# KiCad board homebrew_486.kicad_pcb (continued)
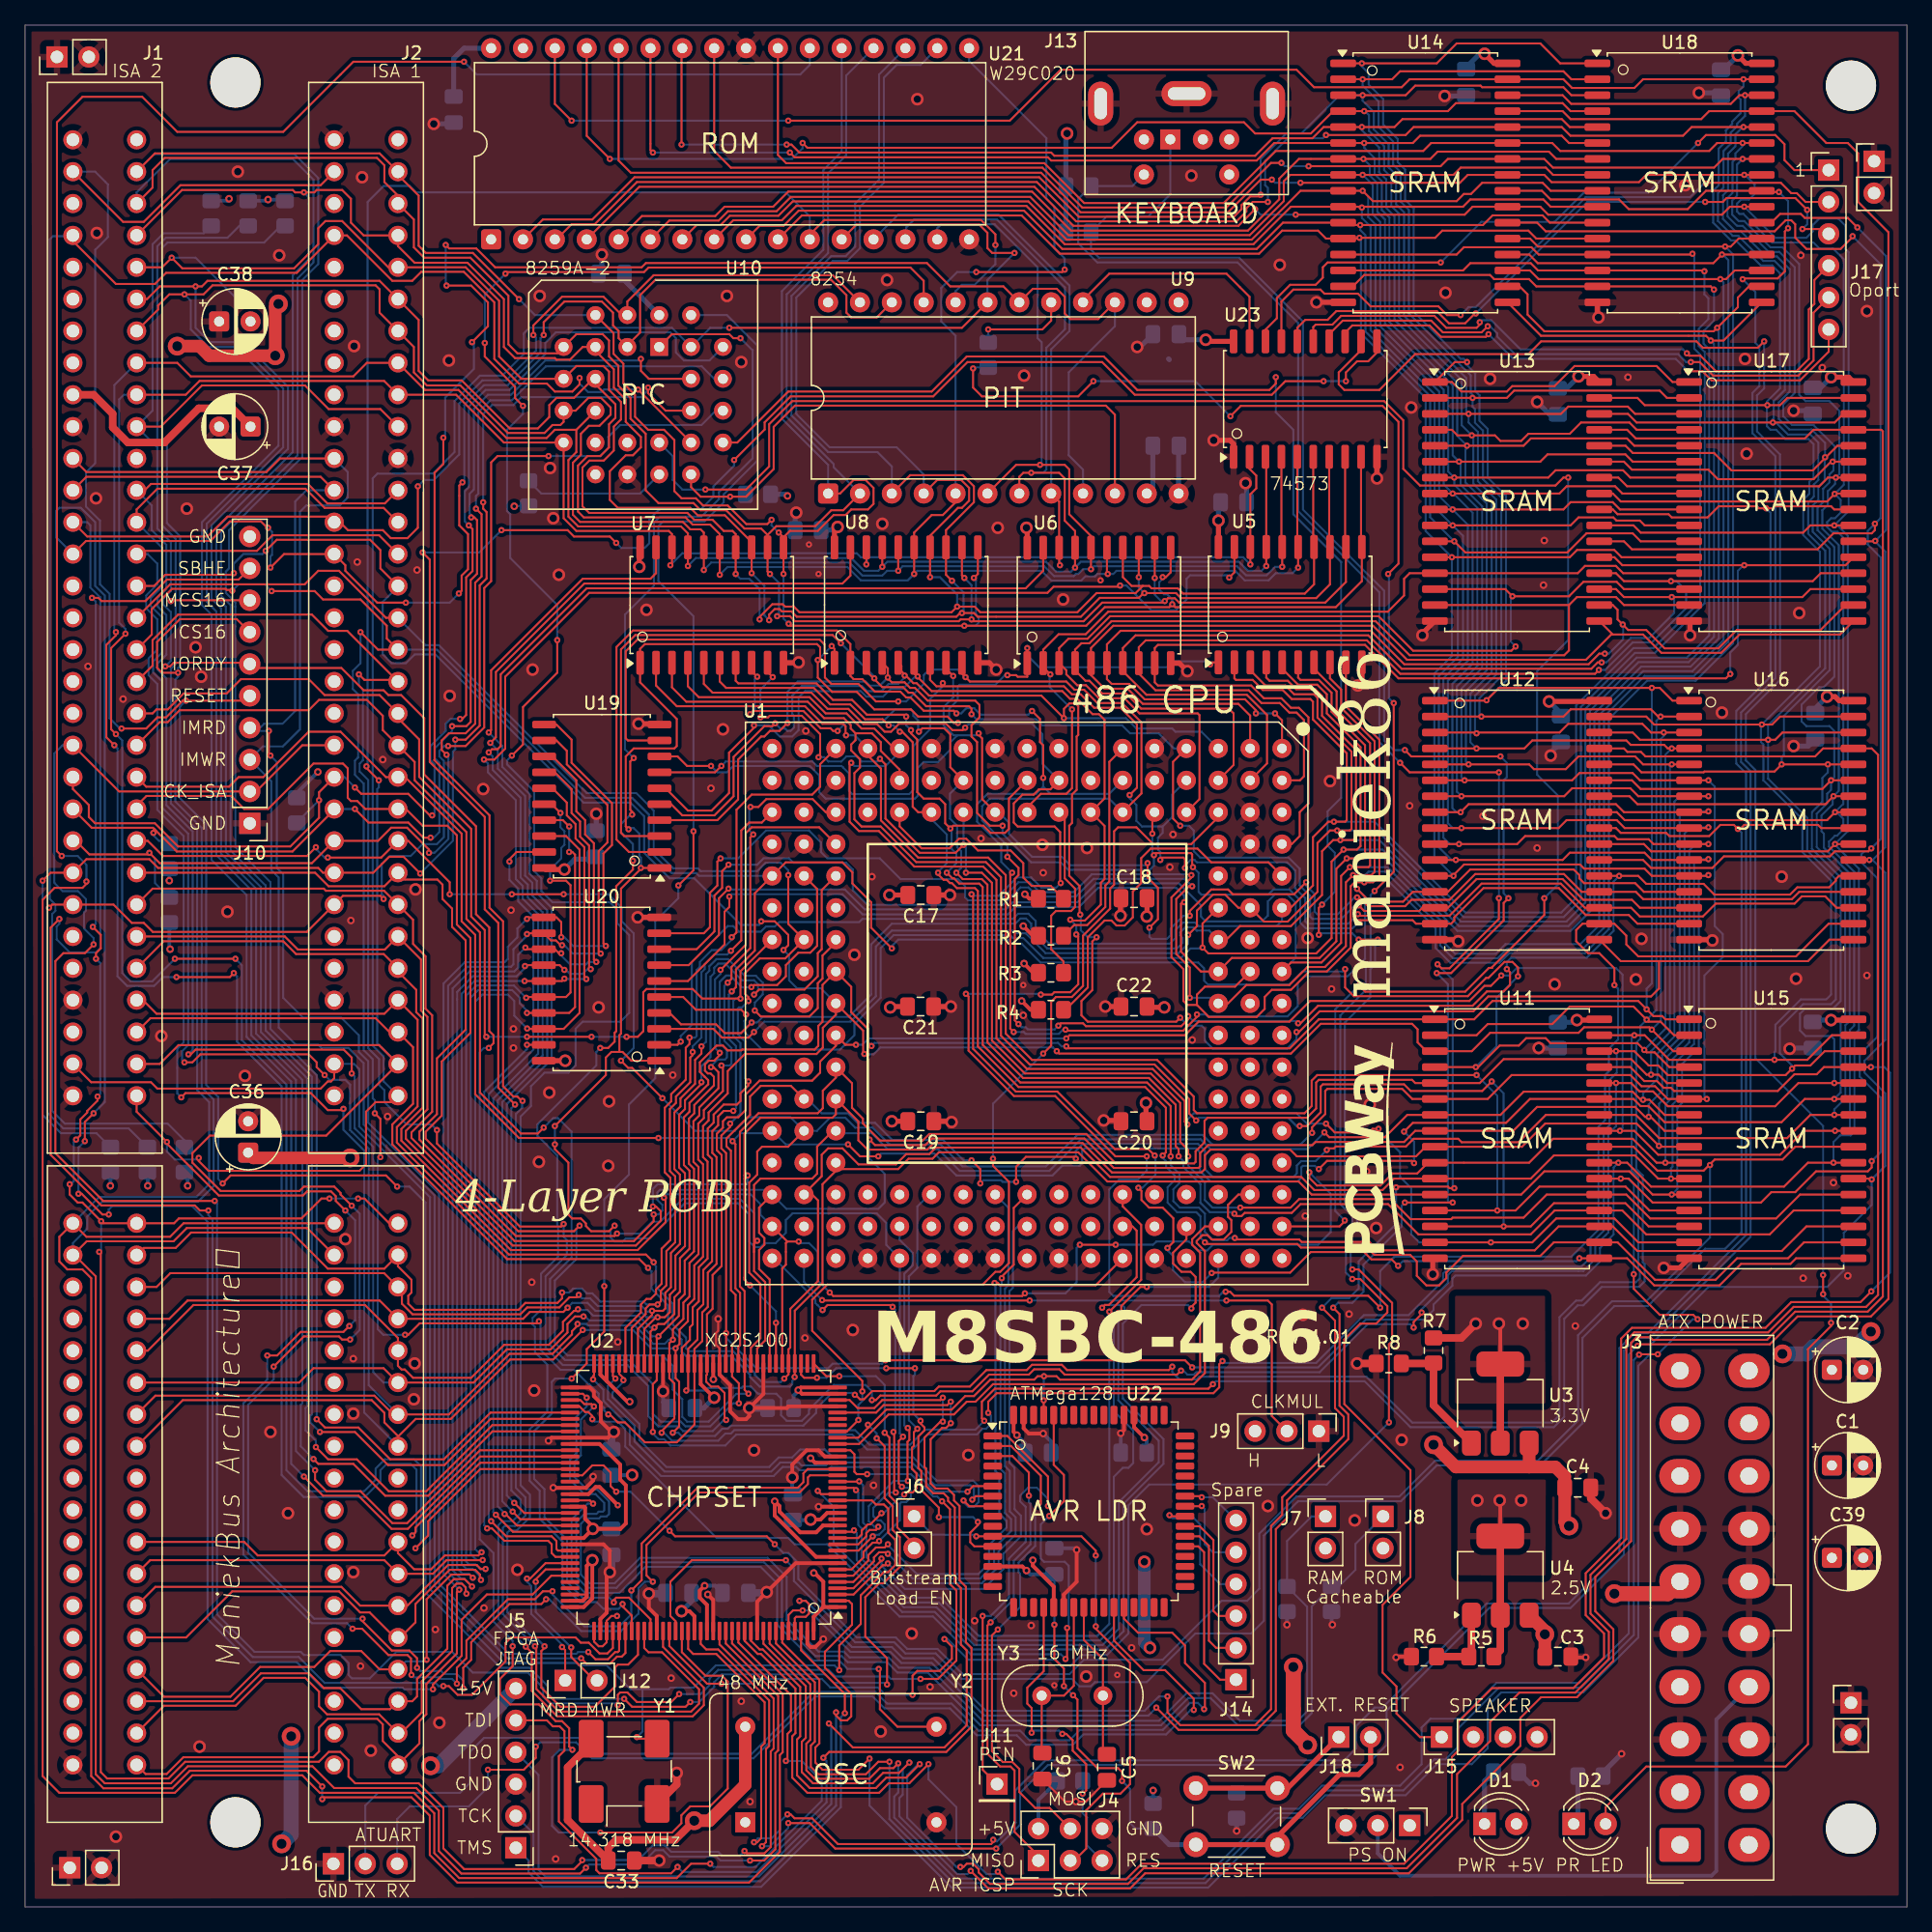
[diagram p0: board, top side]
## Routing (per net, layer and track width the routed paths; a pad name or vN(x,y) marks a point on that pad's centre or on a via; arc(x,y) is an arc through that point) (continued)
/CLK_PIT: length 223.3
  Top w0.16: 39.62,64.21 39.24,64.59 38.93,64.59 38.1,65.42 38.1,78.56 37.02,79.64 37.02,87.01 32.62,91.41 32.64,91.43 32.64,114.31 33.34,115.01 v3(33.34,117.11) ; v3(35.62,124.73) 36.89,126 36.89,127.9 35.56,129.24 v3(33.59,129.24) ; v3(33.53,132.47) 33.8,132.2 35.96,132.2 37.47,130.7 49.15,130.7 49.49,131.03 71.88,131.03 73.74,129.17 77.98,129.17 U9.18 80.33,128.98 82.24,128.98 82.87,128.35 82.87,127.01 83.31,126.57 85.53,126.57 U9.15 ; U2.117 49.35,20.64 49.7,20.29 50.77,20.29 53.72,17.35 53.72,16.21 53.09,15.57 42.55,15.57 40.75,17.37 40.75,20.67 v3(40.64,20.78) 40.58,20.84
  Bottom w0.16: v3(35.62,124.73) 35.77,124.58 35.77,122.59 33.49,120.31 33.49,117.36 33.34,117.21 v3(33.34,117.11) ; v3(40.64,20.78) 38.08,23.34 38.08,30.22 38.23,30.37 39.05,30.37 39.88,31.19 39.88,32.65 39.12,33.41 39.12,63.2 39.62,63.7 39.62,64.21 ; v3(33.59,129.24) 33.53,129.3 v3(33.53,132.47) ; U9.9 84.33,114.57 83.19,115.71 83.19,122.31 86.87,126 U9.15
  vias: v3(39.65,64.25)
/CPU/CLKMUL: length 50.6
  Top w0.16: J9.2 99.38,39.13 99.38,48.02 99.06,48.34 v3(95.76,48.34) ; v3(80.07,48.34) 63.56,48.34 v3(63.53,48.37)
  Bottom w0.16: v3(95.76,48.34) v3(80.07,48.34) ; U1.R17 62.09,49.81 v3(63.53,48.37) 63.56,48.34
/CPU/CPU_CLK: length 80.3
  Top w0.16: v3(81.15,68.02) 81.79,68.66 81.79,72.15 82.17,72.53 83.44,72.53 84.33,73.42 84.33,77.42 86.49,79.58 86.49,81.17 86.8,81.48 86.8,85.74 87.12,86.06 88.58,86.06 89.92,84.72 92.96,84.72 95.11,86.87 U1.C3 ; v3(77.15,59.64) 77.15,59.07 78.42,57.8 78.42,51.32 77.72,50.62 77.34,50.62 76.33,49.61 63.95,49.61 62.74,48.4 62.74,45.92 66.74,41.92 v3(66.74,41.1) ; v3(66.42,38.81) 65.51,37.9 U2.29
  Bottom w0.16: v3(66.42,38.81) 66.42,40.02 66.74,40.34 v3(66.74,41.1) ; v3(81.15,68.02) 77.15,64.02 v3(77.15,59.64) 77.15,59.58
/CPU/NMI: length 50.1
  Top w0.16: U2.27 66.48,36.9 68.83,39.26 74.04,39.26 75.06,40.27 75.76,40.27 77.15,41.67 93.15,41.67 94.04,42.56 94.04,52.27 93.39,52.93 93.39,53.08 93.85,53.54 94.25,53.54 94.59,53.2 95.54,53.2 96.15,53.81 96.15,54.74 95.88,55 95.88,55.96 96.71,56.78 U1.B15
/CPU/~{ADS}: length 35.8
  Top w0.16: v3(63.56,47.57) 63.97,47.98 69,47.98 v3(69.15,47.83) ; v3(69.22,37.86) 69.28,37.8 69.28,33.16 v3(69.41,33.03) ; U2.10 66.42,28.4 67.56,29.54 v3(67.56,29.54)
  Bottom w0.16: v3(69.22,37.86) 69.36,38.01 69.36,47.62 v3(69.15,47.83) ; v3(69.41,33.03) 68.84,33.03 67.61,31.8 67.61,31.15 67.94,30.81 68.2,30.81 68.52,30.49 68.52,30.11 68.07,29.67 67.69,29.67 v3(67.56,29.54) 67.5,29.48 ; v3(63.56,47.57) 62.99,48.15 62.99,48.4 59.69,51.7 U1.S17
/CPU/~{BE0}: length 46.2
  Top w0.16: v3(68.77,27.38) 68.71,27.38 68.56,27.23 68.37,27.23 66.04,24.9 U2.3
  Bottom w0.16: U1.K15 78.37,55.74 78.37,49.54 78.1,49.28 78.1,35.13 78.49,34.75 78.49,31.53 78.95,31.06 78.95,29.69 77.6,28.33 77.6,27.13 76.26,25.79 70.36,25.79 v3(68.77,27.38)
/CPU/~{BE1}: length 45.5
  Top w0.16: U2.4 66.03,25.4 68.26,27.64 v3(68.26,27.76)
  Bottom w0.16: U1.J16 79.12,54.24 78.74,53.86 78.74,49.35 78.47,49.08 78.47,35.4 78.87,35 78.87,31.7 79.38,31.19 79.38,29.54 77.98,28.14 77.98,26.94 76.39,25.35 70.12,25.35 68.26,27.21 v3(68.26,27.76)
/CPU/~{BE2}: length 46.3
  Top w0.16: U1.J15 78.8,55.72 78.8,51.19 77.85,50.24 v3(77.85,50.11) ; v3(68.77,28.14) 68.71,28.14 68.58,28.27 68.07,28.27 67.66,27.86 67.66,27.54 66.02,25.9 U2.5
  Bottom w0.16: v3(77.85,50.11) 77.85,49.61 77.74,49.5 77.74,34.92 78.1,34.56 78.1,31.4 78.59,30.92 78.59,29.96 77.24,28.61 77.24,27.28 76.14,26.18 70.74,26.18 v3(68.77,28.14)
/CPU/~{BE3}: length 49.2
  Top w0.16: v3(68.77,28.91) 68.52,28.65 67.82,28.65 67.21,28.05 67.21,27.61 66.01,26.4 U2.6 ; v3(77.28,49.73) 77.53,49.73 77.72,49.54 85.33,49.54 U1.F17
  Bottom w0.16: v3(77.28,49.73) 77.34,49.67 77.34,34.75 77.66,34.43 77.66,31.34 78.23,30.77 78.23,30.24 76.83,28.84 76.83,27.38 75.99,26.54 71.08,26.54 68.77,28.84 v3(68.77,28.91)
/CPU/~{BS8}: length 75.3
  Top w0.16: v3(63.18,33.16) 63.44,32.9 U2.19 ; v3(92.96,47.7) 92.96,47.83 93.3,48.17 93.3,50.22 92.9,50.62 92.17,50.62 91.5,51.29 91.5,52.15 92.57,53.21 U1.D16
  Bottom w0.16: v3(92.96,47.7) 92.69,47.98 88.98,47.98 87.5,46.5 87.5,40.53 90.74,37.29 90.74,35.32 87.57,32.14 87.57,21.98 86.11,20.52 75.5,20.52 72.52,23.51 69.91,23.51 64.45,28.97 64.45,31.89 v3(63.18,33.16)
/CPU/~{BS16}: length 68
  Top w0.16: U2.20 66.05,33.4 v3(66.23,33.22) ; v3(87.15,47.35) 87.38,47.57 87.38,47.89 88.9,49.42 v3(89.41,49.42)
  Bottom w0.16: v3(66.23,33.22) 66.42,33.03 66.42,30.43 66.67,30.18 66.67,27.76 70.17,24.27 72.83,24.27 75.86,21.24 85.68,21.24 86.78,22.34 86.78,34.28 87.5,35 87.95,35 88.33,35.38 88.33,37.99 86.78,39.53 86.78,46.98 v3(87.15,47.35) ; U1.C17 95.11,50.16 94.36,49.42 v3(89.41,49.42)
/CPU/~{D/C}: length 33.1
  Top w0.16: v3(70.07,32.87) 70.23,33.03 70.74,33.03 71.06,33.35 71.06,34.56 70.7,34.92 70.7,36.61 70.84,36.76 70.84,37.84 v3(71.12,38.11) ; U2.12 66.4,29.4 66.7,29.69 66.7,30.01 67.18,30.49 67.37,30.49 v3(68.26,31.38)
  Bottom w0.16: v3(68.26,31.38) 68.45,31.38 69.72,32.65 69.85,32.65 v3(70.07,32.87) 69.94,32.87 ; v3(71.12,38.11) 70.44,38.79 70.44,50.26 71.12,50.94 71.12,55.83 72.07,56.78 U1.M15
/CPU/~{KEN}: length 66.3
  Top w0.16: U1.F15 87.49,55.84 88.96,54.37 88.96,49.99 v3(86.42,47.45) ; v3(66.48,33.92) 66.46,33.9 U2.21
  Bottom w0.16: v3(86.42,47.45) 86.42,22.56 85.47,21.6 76.01,21.6 72.96,24.65 70.29,24.65 67.06,27.89 67.06,30.37 66.8,30.62 66.8,33.6 v3(66.48,33.92)
/CPU/~{M/IO}: length 31.4
  Top w0.16: U2.11 66.41,28.9 67.06,29.54 67.06,29.79 67.31,30.05 67.82,30.05 68.01,30.24 v3(68.01,30.3) ; v3(70.36,38.18) 70.48,38.05 70.48,37.22 70.34,37.08 70.34,33.98 v3(70.36,33.96)
  Bottom w0.16: v3(70.36,38.18) 70.27,38.18 70.08,38.37 70.08,50.47 70.75,51.14 70.75,52.14 69.71,53.18 U1.N16 ; v3(68.01,30.3) 67.69,30.3 67.25,30.75 67.25,31.95 69.25,33.96 v3(70.36,33.96)
/CPU/~{RDY}: length 67.2
  Top w0.16: U2.13 65.96,29.9 v3(66.07,30.02) ; U1.F16 88.27,54.24 88.6,53.9 88.6,50.2 86.39,47.99 86.07,47.99 v3(85.85,47.77)
  Bottom w0.16: v3(66.07,30.02) 66.29,29.79 66.29,27.63 70.04,23.89 72.64,23.89 75.65,20.88 85.89,20.88 87.19,22.17 87.19,32.27 90.36,35.45 90.36,37.16 87.14,40.38 87.14,46.66 87.63,47.15 87.63,47.78 87.44,47.98 86.06,47.98 v3(85.85,47.77)
/CPU_RESET: length 286.8
  Top w0.16: v3(67.88,37.35) 68.52,36.72 68.52,32.59 69.16,31.94 69.16,30.04 69.72,29.48 69.72,27.11 68.41,25.79 68.07,25.79 66.97,24.69 66.97,21.56 68.71,19.83 v3(68.71,17.73) ; v3(47.75,16.59) 48.39,15.95 52.64,15.95 v3(53.02,16.33) ; 67.21,38.21 66.41,37.4 U2.28 ; 67.21,38.21 67.18,38.24 v3(67.18,38.43) ; 67.21,38.21 68.64,39.64 73.85,39.64 74.93,40.72 75.63,40.72 76.94,42.03 80.43,42.03 80.71,42.3 v3(81.22,42.3) 82.21,42.3 82.49,42.03 93.01,42.03 93.66,42.69 93.66,52.15 93.03,52.78 93.03,53.23 94.04,54.24 U1.C16 ; v3(7.68,93.93) 9.65,93.93 10.54,94.82 11.24,94.82 12.57,96.15 v3(12.83,96.15) 17.53,96.15 J10.5 ; U22.61 v3(81.19,40.38) ; J2.2 23.56,137.24 12.38,137.24 9.46,134.32 7.81,134.32 J1.2 ; v3(29.65,57.42) 28.77,58.31 16.38,58.31 v3(15.75,57.67)
  Bottom w0.16: v3(53.02,16.33) 53.72,16.33 54.93,17.54 54.93,17.92 55.54,18.53 63.78,18.53 64.45,17.86 68.58,17.86 v3(68.71,17.73) ; v3(15.75,57.67) 15.39,58.03 15.39,64.57 14.44,65.52 14.44,86.29 12.34,88.38 12.34,95.67 v3(12.83,96.15) ; v3(81.19,40.38) 81.19,42.28 v3(81.22,42.3) ; v3(29.65,57.42) 30.65,57.42 31.92,56.15 31.92,25.05 37.91,19.06 40.2,19.06 41.66,17.6 41.66,16.97 42.04,16.59 v3(47.75,16.59) ; J1.2 5.59,138.32 6.6,137.3 6.6,133.11 5.59,132.09 5.59,115.08 4.85,114.34 4.85,111.62 5.97,110.5 5.97,105.43 6.73,104.66 6.73,94.76 7.56,93.93 v3(7.68,93.93) ; v3(67.88,37.35) 67.88,37.73 v3(67.18,38.43)
/D0: length 128.3
  Top w0.16: U1.P1 67.17,91.79 68.22,90.73 68.22,86.6 71.18,83.64 76.77,83.64 78.17,82.25 78.17,69.61 80.26,67.51 90.23,67.51 93.15,64.59 93.15,63.52 93.41,63.26 101.98,63.26 102.55,63.84 102.55,65.86 103,66.31 v3(115.7,66.31) ; v3(65.44,93.39) 65.4,93.43 65.4,94.11 65.2,94.31 63.56,94.31 62.17,95.71 51.94,95.71 50.29,97.36 U7.2 ; U15.13 129.48,55.51 127.57,57.42 120.71,57.42 118.81,55.51 v3(117.35,55.51) U11.13
  Bottom w0.16: v3(117.35,55.51) 117.35,64.66 v3(115.7,66.31) ; v3(65.44,93.39) 66.12,93.39 U1.P1
/D1: length 137.8
  Top w0.16: U11.14 v3(117.86,54.24) 120.01,54.24 121.87,56.09 127.56,56.09 129.41,54.24 U15.14 ; U1.N2 69.71,90.65 68.21,92.15 68.21,92.84 67.5,93.55 66.19,93.55 ; v3(93.34,62.69) 92.79,63.24 92.79,64.39 90.03,67.15 80.07,67.15 77.79,69.44 77.79,82.08 76.58,83.28 71.03,83.28 68.2,86.12 66.67,86.12 66.1,86.69 66.1,90.37 66.55,90.82 66.55,91.49 65.85,92.19 65.85,92.66 66.19,93 66.19,93.55 ; v3(116.9,65.8) 116.14,65.04 110.45,65.04 109.92,65.57 103.44,65.57 103.27,65.4 103.27,63.34 102.17,62.24 v3(101.6,62.24) ; U7.3 51.56,97.21 52.7,96.07 62.38,96.07 63.69,94.76 65.26,94.76 65.81,94.21 65.81,93.93 66.19,93.55
  Bottom w0.16: v3(116.9,65.8) 117.86,64.85 v3(117.86,54.24) ; v3(101.6,62.24) 101.35,62.24 100.69,62.9 93.56,62.9 v3(93.34,62.69)
/D2: length 130.1
  Top w0.16: v3(92.65,62.37) 92.43,62.58 92.43,64.24 89.88,66.79 79.86,66.79 77.43,69.23 77.43,81.86 76.37,82.92 70.88,82.92 68.05,85.76 66.46,85.76 65.72,86.5 65.72,91.07 v3(65.85,91.2) ; U15.15 128.59,52.97 126.68,54.88 122.05,54.88 120.14,52.97 v3(116.84,52.97) U11.15 ; v3(107.89,62.02) 107.41,62.02 107.12,61.74 104.39,61.74 v3(103.7,62.43) ; U1.N1 69.28,92.34 67.69,93.93 66.67,93.93 65.47,95.14 63.82,95.14 62.53,96.43 53.7,96.43 52.83,97.3 U7.4
  Bottom w0.16: v3(107.89,62.02) 107.89,61.86 109.6,60.15 109.6,58.18 110.49,57.29 110.49,53.61 111.12,52.97 v3(116.84,52.97) ; v3(65.85,91.2) 66.11,90.94 68.58,90.94 69.71,92.07 U1.N1 ; v3(92.65,62.37) 92.65,62.75 93.16,63.26 101.34,63.26 102.17,62.43 v3(103.7,62.43)
/D3: length 158.6
  Top w0.16: v3(123.89,51.7) U11.17 127.7,51.7 129.86,49.54 135.06,49.54 136.78,51.26 140.72,51.26 141.16,51.7 U15.17 ; v3(74.93,93.99) 74.74,93.8 73.92,93.8 73.41,94.31 69.66,94.31 69.02,93.68 68.52,93.68 67.9,94.29 66.82,94.29 65.62,95.5 63.97,95.5 62.68,96.79 54.8,96.79 54.1,97.49 U7.5 ; v3(91.06,52.53) 91.53,53 91.53,54.89 90.68,55.74 89.6,55.74 88.99,56.35 88.99,57.08 v3(88.74,57.32) 88.71,57.35 ; v3(82.55,81.61) 82.51,81.65 82.51,85.67 82.06,86.12 79.12,86.12 78.8,86.44 78.8,87.96 79.5,88.66 80.39,88.66 80.81,89.08 81.72,89.08 82.41,89.77 U1.H2 ; v3(90.04,59.89) 89.53,60.4 86.87,60.4 82.28,64.99 78.97,64.99 75.56,68.4 75.56,80.59 v3(75.44,80.72) ; v3(94.58,50.53) 94.61,50.56 100.84,50.56 102.48,52.2 106.73,52.2 107.31,51.62 108.92,51.62 v3(109.44,51.1) 109.47,51.07
  Bottom w0.16: 89.98,59.96 v3(90.04,59.89) 90.11,59.83 90.11,58.37 89.06,57.32 v3(88.74,57.32) ; v3(94.58,50.53) 93.85,49.8 92.46,49.8 91.5,50.75 91.5,51.89 91.06,52.34 v3(91.06,52.53) 91.06,52.59 ; U1.H2 81.09,91.12 81.09,93.49 80.26,94.31 75.25,94.31 v3(74.93,93.99) ; v3(82.55,81.61) 82.19,81.25 81.01,81.25 80.2,82.06 79.06,82.06 77.6,80.59 75.56,80.59 v3(75.44,80.72) ; v3(123.89,51.7) 123.66,51.47 109.81,51.47 v3(109.44,51.1)
/D4: length 136.4
  Top w0.16: v3(68.83,94.18) 68.35,94.67 66.95,94.67 65.77,95.86 64.18,95.86 62.86,97.17 55.88,97.17 55.37,97.68 U7.6 ; v3(72.77,82.44) 72.77,82.31 73.22,81.86 73.47,81.86 73.72,81.61 73.87,81.61 74.28,81.21 75.71,81.21 75.95,80.98 75.95,68.59 79.18,65.35 89.28,65.35 90.93,63.7 90.93,60.15 v3(90.68,59.89) ; v3(94.04,52.97) 94.18,52.84 101.41,52.84 101.69,52.56 106.97,52.56 107.55,51.98 110.41,51.98 110.93,51.45 110.93,50.31 111.7,49.54 112.71,49.54 113.28,50.11 113.28,50.56 114.62,51.89 120.78,51.89 121.86,52.97 U11.18 126.94,52.97 129.92,49.99 134.75,49.99 136.46,51.7 140.53,51.7 141.8,52.97 U15.18 ; v3(69.72,93.68) 69.91,93.68 70.75,92.84 70.75,87.7 71.18,87.26 U1.M3
  Bottom w0.16: v3(94.04,52.97) 93.68,53.33 93.68,55.05 93.35,55.38 91.83,55.38 91.07,56.14 91.07,57.37 91.63,57.93 91.63,58.3 90.95,58.98 90.95,59.43 90.68,59.7 v3(90.68,59.89) ; U1.M3 72.25,86.71 73.47,85.48 73.47,83.2 72.77,82.5 v3(72.77,82.44) ; 69.53,93.87 v3(69.72,93.68) 69.22,94.18 v3(68.83,94.18)
/D5: length 141.2
  Top w0.16: U7.7 56.64,97.74 56.85,97.53 63.08,97.53 64.39,96.22 65.92,96.22 67.1,95.03 70.08,95.03 v3(70.23,94.88) ; U1.J2 78.42,88.36 78.42,85.93 78.1,85.61 76.96,85.61 76.39,86.18 73.98,86.18 v3(73.76,85.96) 73.34,86.37 73.34,87.9 72.9,88.34 71.63,88.34 71.11,88.86 71.11,93.05 70.61,93.55 v3(70.61,93.8) ; U15.19 141.99,54.24 140.03,52.28 128.52,52.28 126.56,54.24 U11.19 122.24,54.24 120.33,52.34 107.82,52.34 107.16,53 101.76,53 101.56,53.2 96.55,53.2 v3(96.42,53.32) 96.39,53.35 ; v3(73.47,82.44) 73.91,81.99 74.04,81.99 74.46,81.57 76.05,81.57 76.33,81.29 76.33,68.72 79.33,65.71 89.43,65.71 91.31,63.83 v3(91.31,59.83)
  Bottom w0.16: v3(73.47,82.44) 74.23,83.2 74.23,83.96 73.85,84.34 73.85,85.87 73.79,85.93 ; v3(70.61,93.8) 70.23,94.18 v3(70.23,94.88) ; v3(96.42,53.32) 96,53.32 95.82,53.14 94.7,53.14 94.04,53.8 94.04,55.26 93.56,55.74 92.04,55.74 91.53,56.25 91.53,57.21 92.01,57.7 92.01,58.43 91.31,59.13 v3(91.31,59.83)
/D6: length 133.5
  Top w0.16: U15.20 140.97,55.51 139.06,53.61 129.22,53.61 127.32,55.51 U11.20 121.92,55.51 120.01,53.61 111.06,53.61 108.65,56.02 101.66,56.02 100.97,55.32 97.22,55.32 96.96,55.07 96.58,55.07 v3(96.39,55.26) ; v3(58.36,98.06) 57.91,98.5 U7.8 ; v3(74.23,82.44) 74.74,81.93 76.26,81.93 76.71,81.48 76.71,68.91 79.54,66.07 89.58,66.07 91.71,63.94 91.71,60.64 91.95,60.4 v3(91.95,59.83) ; v3(71.25,93.68) 71.52,93.95 73.26,93.95 73.75,93.46 73.75,90.84 U1.L2 ; v3(64.77,93.74) 64.41,93.74 64.2,93.95 63.41,93.95 62.04,95.33 58.04,95.33 v3(57.78,95.07)
  Bottom w0.16: U1.L2 73.72,88.74 73.72,86.75 74.3,86.18 74.3,84.47 74.61,84.15 74.61,82.82 v3(74.23,82.44) ; v3(71.25,93.68) 71.18,93.74 71.18,94.56 70.8,94.95 70.8,95.26 70.61,95.45 69.34,95.45 68.26,94.37 65.41,94.37 v3(64.77,93.74) ; v3(57.78,95.07) 58.17,95.45 58.17,97.87 v3(58.36,98.06) ; v3(96.39,55.26) 96.27,55.38 94.43,55.38 93.68,56.13 93.68,57.61 92.33,58.96 92.33,59.45 v3(91.95,59.83)
/D7: length 131.1
  Top w0.16: v3(74.99,82.44) 76.26,82.44 77.07,81.63 77.07,69.06 79.69,66.43 89.73,66.43 92.07,64.09 92.07,60.97 92.71,60.34 v3(92.71,59.83) ; U7.9 59.18,98.44 v3(59.59,98.03) 59.63,97.99 ; v3(58.61,94.82) 59.22,94.82 59.35,94.95 61.91,94.95 63.37,93.48 63.37,91.77 v3(63.25,91.64) ; v3(74.8,84.66) 74.17,84.02 71.31,84.02 68.58,86.75 68.58,91.07 v3(68.14,91.52) ; v3(96.86,55.74) 100.88,55.74 101.56,56.42 108.84,56.42 110.44,54.82 113.67,54.82 113.79,54.94 119.44,54.94 121.28,56.78 U11.21 127.63,56.78 129.54,54.88 139.57,54.88 141.48,56.78 U15.21
  Bottom w0.16: v3(74.99,82.44) 74.99,84.47 v3(74.8,84.66) 74.8,87.25 U1.L3 ; v3(59.59,98.03) 58.61,97.04 v3(58.61,94.82) ; v3(96.86,55.74) 94.64,55.74 94.04,56.34 94.04,57.76 92.71,59.09 v3(92.71,59.83) ; v3(63.25,91.64) 63.69,91.64 64.03,91.3 65.06,91.3 65.47,91.71 66.27,91.71 66.67,91.3 67.92,91.3 v3(68.14,91.52)
/D8: length 163
  Top w0.16: 93.41,71.2 v3(93.41,71.13) 93.41,70.94 92.31,69.84 83.02,69.84 v3(82.93,69.93) ; v3(80.26,95.33) 80.9,94.69 80.9,92.85 81.15,92.6 v3(81.15,89.99) ; U19.2 48.13,84.09 47.14,85.08 47.14,100.43 48.45,101.74 64.71,101.74 65.79,100.66 U8.2 65.79,98.12 66.04,97.87 66.74,97.87 67.73,96.87 69.77,96.87 70.23,96.41 70.57,96.41 71.63,95.35 74.02,95.35 v3(74.23,95.14) ; U16.13 129.03,80.91 128.34,81.6 124.27,81.6 123.89,81.98 123.89,82.25 123.44,82.69 115.19,82.69 113.41,80.91 U12.13 110.62,80.91 109.83,80.13 107.19,80.13 v3(106.17,81.15) ; v3(78.68,82.44) 78.53,82.29 78.53,70.01 v3(78.8,69.74)
  Bottom w0.16: v3(93.41,71.13) 94.11,71.13 94.26,70.98 100.62,70.98 101.44,71.8 101.44,73.64 101.98,74.18 105.41,74.18 106.81,75.58 106.81,80.51 v3(106.17,81.15) ; v3(74.23,95.14) 74.61,95.14 75.03,95.55 75.66,95.55 76.18,95.03 79.97,95.03 v3(80.26,95.33) ; 81.15,89.29 v3(81.15,89.99) ; 81.15,89.29 80.58,88.72 76.71,88.72 75.88,87.9 75.88,86.5 77.82,84.57 77.82,83.3 v3(78.68,82.44) ; 81.15,89.29 81.72,88.72 86.41,88.72 U1.F2 ; v3(78.8,69.74) 79.61,69.74 79.76,69.59 82.4,69.59 82.74,69.93 v3(82.93,69.93)
/D9: length 124.8
  Top w0.16: v3(75.44,95.07) 75.44,95.52 75.25,95.71 71.82,95.71 70.74,96.79 70.42,96.79 69.98,97.23 68.33,97.23 67.06,98.5 U8.3 ; U19.3 47.75,85.36 47.5,85.61 47.5,100.24 48.64,101.38 64.37,101.38 v3(65.02,100.72) ; v3(92.08,86.18) 91.5,86.75 91.5,91.28 U1.D1 ; v3(106.3,79.83) 106.74,79.39 111.12,79.39 111.38,79.64 U12.14 113.41,79.64 115.7,81.93 122.55,81.93 124.2,80.28 128.08,80.28 128.71,79.64 U16.14
  Bottom w0.16: v3(65.02,100.72) 67.69,98.06 v3(67.69,97.93) ; v3(106.3,79.83) 105.98,79.83 104.9,78.75 102.62,78.75 102.43,78.94 102.43,80.59 101.6,81.42 101.6,82.75 100.71,83.64 93.66,83.64 93.15,84.15 93.15,85.8 92.77,86.18 v3(92.08,86.18) ; v3(75.44,95.07) 75.84,94.67 80.6,94.67 81.09,94.18 87.44,94.18 88.07,93.55 90.36,93.55 91.57,92.34 U1.D1
/D10: length 116.9
  Top w0.16: U19.4 55.18,86.63 56.83,88.28 56.83,91.45 58.67,93.29 58.93,93.29 59.37,93.74 60.13,93.74 v3(60.77,94.37) ; v3(89.98,83.83) 90.15,84 92.92,84 93.03,83.9 93.03,82.94 ; U1.E3 89.85,87.09 v3(89.85,85.55) ; U8.4 68.77,98.73 v3(68.77,97.99) 68.77,97.93 69.09,97.61 70.1,97.61 70.55,97.17 70.93,97.17 71.94,96.15 75.73,96.15 76.07,95.81 76.07,94.82 75.44,94.18 75.44,93.29 75.88,92.85 75.88,87.2 76.9,86.18 v3(77.91,86.18) ; U16.15 128.52,78.37 127.83,79.06 124.4,79.06 122.26,81.21 116.25,81.21 113.92,78.88 113.92,78.63 113.66,78.37 U12.15 110.87,78.37 110.6,78.65 106.45,78.65 v3(106.3,78.5)
  Bottom w0.16: v3(89.85,85.55) 89.85,83.96 v3(89.98,83.83) 89.98,83.01 89.64,82.67 83.14,82.67 82.55,83.26 80.2,83.26 77.91,85.55 v3(77.91,86.18) ; 93.03,82.94 v3(93.09,82.88) 93.54,82.44 93.54,80.91 93.76,80.68 99.08,80.68 99.5,81.1 100.77,81.1 101.64,80.23 101.64,78.46 102.09,78.01 105.81,78.01 v3(106.3,78.5) ; v3(60.77,94.37) 60.77,96.85 61.59,97.68 66.99,97.68 67.31,97.36 68.14,97.36 v3(68.77,97.99)
/D11: length 160.7
  Top w0.16: 130.24,75.39 130.24,73.21 129.6,72.57 116.63,72.57 115.44,71.39 103.19,71.39 101.54,69.74 v3(101.35,69.74) ; 130.24,75.39 127.19,75.39 U12.17 ; 130.24,75.39 142.11,75.39 143.83,77.1 U16.17 ; v3(85.41,77.29) 85.07,76.95 85.07,73.08 84.2,72.21 84.2,71.07 84.71,70.56 91.76,70.56 v3(92.08,70.88) ; U19.5 51.5,87.9 52.39,87.01 54.95,87.01 56.47,88.53 56.47,91.66 58.93,94.12 59.56,94.12 v3(59.79,94.34) ; v3(84.11,79.1) 84.05,79.16 84.05,81.38 83.23,82.2 83.23,86.18 83.45,86.41 83.45,88.67 83.82,89.04 83.82,93.29 83.95,93.42 83.95,95.71 83.72,95.93 83.24,95.93 82.8,95.5 v3(82.8,94.76) 81,96.55 72.05,96.55 71.06,97.55 70.81,97.55 69.85,98.5 69.85,98.92 U8.5
  Bottom w0.16: v3(84.11,79.1) 84.15,79.06 84.15,77.85 84.71,77.29 v3(85.41,77.29) 85.47,77.29 ; v3(101.35,69.74) 101.35,69.16 100.58,68.4 94.68,68.4 94.04,69.04 94.04,69.99 93.79,70.24 92.71,70.24 v3(92.08,70.88) ; U1.C1 93.77,93.68 91.69,93.68 91.44,93.93 88.58,93.93 87.76,94.76 v3(82.8,94.76) ; v3(59.79,94.34) 60.2,93.93 60.58,93.93 60.77,93.74 61.02,93.74 61.28,93.99 61.28,94.95 61.15,95.07 61.15,96.55 61.91,97.32 66.72,97.32 67.12,96.91 68.26,96.91 68.83,97.49 69.6,97.49 70.23,98.12
  vias: v3(70.11,98.15)
/D12: length 212.1
  Top w0.16: v3(80.96,72.72) 81.85,72.72 82.04,72.91 83.31,72.91 83.95,73.55 83.95,77.36 v3(83.79,77.51) 83.76,77.55 ; v3(108.01,47.77) 107.06,48.72 96.37,48.72 96.05,49.04 v3(95.69,49.04) ; v3(58.1,94.18) 58.1,93.99 56.11,92 56.11,88.79 54.72,87.39 52.83,87.39 51.05,89.17 U19.6 ; v3(126.68,73.48) 126.68,74.82 125.48,76.02 124.59,76.02 123.63,76.98 123.63,77.86 124.14,78.37 U12.18 126.68,78.37 127.63,77.42 127.63,76.72 128.59,75.77 141.16,75.77 143.76,78.37 U16.18 ; v3(89.41,59.83) 86.91,59.83 82.11,64.63 78.82,64.63 75.2,68.25 75.2,72.57 v3(74.99,72.78) ; U8.6 70.87,98.31 72.26,96.91 82.68,96.91 83.29,96.3 83.86,96.3 85.09,95.07 85.6,95.07 86.04,94.63 86.04,88.36 U1.G3 86.04,86.17 86.04,81.93 85.75,81.63 85.75,79.9 84.47,78.62 83.38,78.62 v3(83.31,78.69)
  Bottom w0.16: v3(95.69,49.04) 95.5,49.04 95.17,48.7 86.74,48.7 86.42,49.01 86.42,57.19 87.22,57.99 88.71,57.99 89.41,58.69 v3(89.41,59.83) ; v3(74.99,72.78) 80.9,72.78 v3(80.96,72.72) ; v3(126.68,73.48) 126.98,73.19 126.98,69.14 126.24,68.4 126.24,66.6 125.94,66.31 125.94,62.71 125.41,62.18 125.41,53.99 123.25,51.83 109.16,51.83 108.01,50.69 v3(108.01,47.77) ; v3(58.1,94.18) 59.27,94.18 60.15,93.29 61.15,93.29 61.66,93.8 61.66,96.41 62.17,96.91 66.61,96.91 67.05,96.47 68.39,96.47 69.02,97.1 69.98,97.1 70.9,98.03 71.15,98.03 ; v3(83.79,77.51) 83.79,78.21 v3(83.31,78.69)
  vias: v3(71.15,98.08)
/D13: length 133.9
  Top w0.16: U16.19 144.4,79.64 143.49,80.55 141.63,80.55 141.05,79.97 134.76,79.97 133.74,78.95 128.71,78.95 128.02,79.64 U12.19 124.33,79.64 122.4,81.57 116.1,81.57 113.54,79.01 106.36,79.01 v3(106.24,79.13) 106.17,79.2 ; 73.02,97.3 82.8,97.3 83.44,96.66 84.14,96.66 85.22,95.58 87.31,95.58 88.63,94.27 88.63,89.21 v3(88.04,88.63) 88.01,88.6 ; 73.02,97.3 73.15,97.42 v3(73.15,97.55) ; 73.02,97.3 72.64,97.3 72.14,97.8 U8.7 ; v3(92.46,82.82) 92.46,83.52 92.33,83.64 90.55,83.64 90.55,83.52 v3(90.49,83.45) 90.42,83.39 ; U19.7 54.99,90.44 v3(55.5,90.95)
  Bottom w0.16: v3(55.5,90.95) 55.85,91.3 62.76,91.3 63.12,90.94 65.09,90.94 65.21,90.82 65.21,90.82 65.67,90.36 65.67,88.97 65.93,88.7 70.46,88.7 70.8,89.04 70.8,92.53 72.14,93.87 72.14,96.28 73.15,97.3 v3(73.15,97.55) ; v3(92.46,82.82) 92.46,83.01 92.9,83.45 93.22,83.45 93.41,83.26 100.58,83.26 101.23,82.62 101.23,81.22 102.04,80.4 102.04,78.56 102.24,78.37 105.47,78.37 v3(106.24,79.13) ; 90.68,86.12 90.68,85.61 90.3,85.23 90.3,84.28 90.49,84.09 v3(90.49,83.45) ; 90.68,86.12 91.44,86.88 91.44,88.67 U1.D2 ; 90.68,86.12 89.03,86.12 88.58,86.56 88.58,87.83 88.04,88.37 v3(88.04,88.63)
/D14: length 130.5
  Top w0.16: v3(92.84,79.01) 92.84,79.39 94.55,81.1 95.88,81.1 96.27,80.72 101.16,80.72 v3(102.11,81.67) ; U16.20 141.41,80.91 140.83,80.33 128.98,80.33 128.4,80.91 U12.20 124.08,80.91 122.66,82.33 115.59,82.33 113.54,80.28 110.51,80.28 110,79.77 107.04,79.77 106.34,80.47 v3(106.17,80.47) ; U1.K3 76.29,88.3 76.29,93.14 76.01,93.42 v3(76.01,93.55) ; U8.8 73.41,98.69 v3(73.98,98.12) ; v3(54.67,90.95) 52.77,90.95 52.01,91.71 U19.8 ; v3(89.62,78.05) 90.3,78.73 90.3,81.23 89.47,82.06 v3(89.47,83.2)
  Bottom w0.16: v3(54.67,90.95) 55.18,90.44 55.94,90.44 56.45,90.94 62.55,90.94 63.31,90.18 63.31,88.85 63.82,88.34 70.93,88.34 71.16,88.57 71.16,90.8 71.63,91.26 72.77,91.26 73.75,92.24 73.75,92.81 74.32,93.38 ; 74.32,93.38 74.02,93.38 73.22,94.18 73.22,95.64 73.98,96.41 v3(73.98,98.12) ; 74.32,93.38 75.84,93.38 v3(76.01,93.55) ; U1.K3 77.6,87.26 78.42,86.44 78.42,85.55 80.27,83.71 82.63,83.71 83.31,83.03 89.3,83.03 v3(89.47,83.2) ; v3(89.62,78.05) 89.62,77.33 89.79,77.17 91.02,77.17 91.31,77.46 91.31,77.99 92.33,79.01 v3(92.84,79.01) ; v3(106.17,80.47) 105.98,80.47 104.65,79.13 103,79.13 102.79,79.35 102.79,80.74 102.11,81.42 v3(102.11,81.67)
/D15: length 177.1
  Top w0.16: v3(92.71,71.01) 92.71,70.75 92.16,70.2 84.56,70.2 84.33,70.43 82.55,70.43 v3(82.36,70.24) 82.3,70.18 ; U12.21 v3(127.06,82.18) 128.59,82.18 129.22,81.55 133.79,81.55 134.65,80.69 140.69,80.69 141.27,81.27 143.81,81.27 144.34,81.8 144.34,81.93 144.59,82.18 U16.21 ; U1.F3 88.99,88.76 88.99,94.41 87.44,95.96 85.47,95.96 84.41,97.02 83.65,97.02 82.99,97.68 75.31,97.68 v3(74.96,98.03) 74.68,98.31 U8.9 ; v3(79.18,70.37) 78.89,70.67 78.89,81.95 79.18,82.25 79.18,82.82 v3(78.3,83.71) ; v3(101.47,70.43) 101.66,70.43 103.06,71.83 115.38,71.83 116.52,72.97 117.86,72.97 118.36,73.48 118.36,74.5 v3(118.11,74.75) ; v3(69.6,96.09) 67.82,96.09 66.42,97.49 64.26,97.49 63.75,97.99 63.75,100.6 63.33,101.02 48.81,101.02 47.88,100.09 47.88,93.15 48.05,92.98 U19.9
  Bottom w0.16: v3(101.47,70.43) 101.29,70.62 93.1,70.62 v3(92.71,71.01) ; v3(78.3,83.71) 78.3,84.6 76.29,86.6 76.29,87.73 76.9,88.34 86.41,88.34 U1.F3 ; v3(69.6,96.09) 70.23,96.09 71.63,97.49 71.63,98.19 72.07,98.63 74.36,98.63 v3(74.96,98.03) ; v3(127.06,82.18) 126.62,81.74 126.62,77.8 124.48,75.66 118.45,75.66 118.11,75.32 v3(118.11,74.75) ; v3(82.36,70.24) 82.06,69.95 79.92,69.95 79.76,70.12 79.44,70.12 v3(79.18,70.37)
/D16: length 71.9
  Top w0.16: U1.J3 79.87,87.63 80.96,88.72 82.99,88.72 83.45,89.18 v3(83.45,95.45) ; U17.13 127.38,106.31 126.8,106.89 124.34,106.89 123.76,106.31 U13.13 110.36,106.31 109.92,105.87 109.92,104.53 108.63,103.24 86.33,103.24 84.54,101.45 82.38,101.45 81.15,100.22 U6.2 81.15,98.82 v3(81.72,98.25)
  Bottom w0.16: v3(81.72,98.25) 81.66,98.18 81.66,97.24 v3(83.45,95.45)
/D17: length 86.6
  Top w0.16: v3(118.81,100.47) 118.47,100.13 110.64,100.13 107.89,102.88 86.48,102.88 84.69,101.09 83.17,101.09 82.42,100.34 U6.3 82.99,98.57 82.99,98.25 83.86,97.38 84.56,97.38 85.6,96.34 87.63,96.34 88.83,95.14 93.47,95.14 93.61,95 93.61,88.3 U1.D3 ; U17.14 127.44,105.04 126.86,105.62 124.21,105.62 123.06,104.47 v3(118.55,104.47) 117.98,105.04 U13.14
  Bottom w0.16: v3(118.81,100.47) 118.43,100.85 118.43,104.34 v3(118.55,104.47)
/D18: length 87.5
  Top w0.16: 123.06,103.77 123.06,100.15 122.68,99.77 110.36,99.77 107.65,102.48 86.59,102.48 84.83,100.73 84.2,100.73 83.69,100.22 U6.4 83.69,98.57 84.52,97.74 84.84,97.74 85.85,96.72 87.75,96.72 88.96,95.52 95.95,95.52 96.33,95.14 96.33,91.02 U1.C2 ; 123.06,103.77 123.7,104.41 126.81,104.41 127.44,103.77 U17.15 ; 123.06,103.77 U13.15
/D19: length 85.5
  Top w0.16: U17.17 144.66,101.42 136.65,101.42 135.19,99.96 130.43,99.96 128.97,101.42 126.56,101.42 ; 126.56,101.42 126.43,101.42 124.42,99.41 110.15,99.41 107.44,102.12 86.74,102.12 84.96,100.34 U6.5 84.96,98.18 86.04,97.1 87.88,97.1 89.09,95.9 96.71,95.9 97.65,94.96 U1.B1 ; 126.56,101.42 U13.17